# KiCad board DB1MB.kicad_pcb (continued)
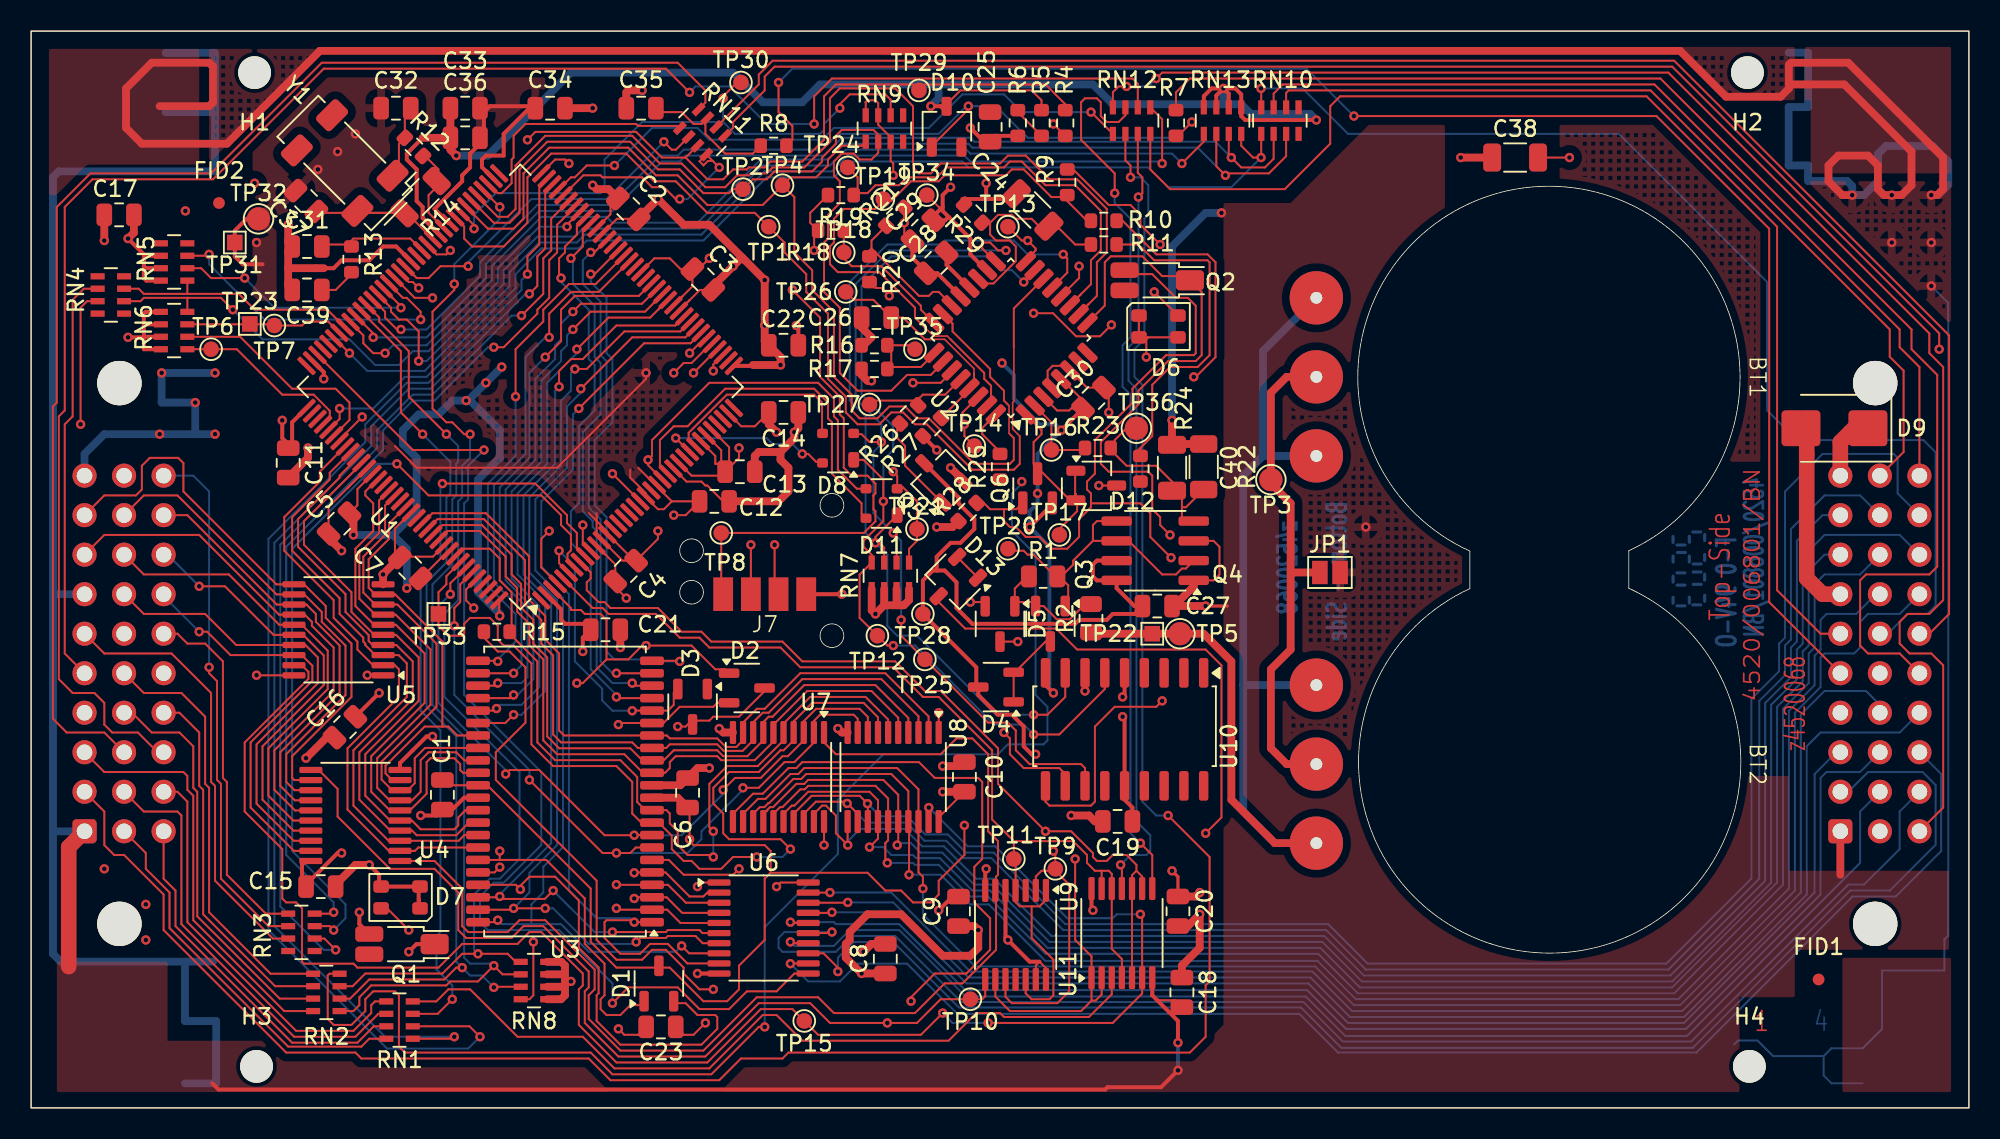
[diagram p0: board, top side]
## Nets
/12Vin: D10.1 R7.2 U1.96
GND: C1.2 C2.2 C3.2 C4.2 C5.2 C6.2 C7.2 C8.2 C9.2 C10.2 C11.2 C12.2 C13.2 C14.2 C15.2 C16.2 C17.2 C18.2 C19.2 C20.2 C21.2 C22.2 C23.2 C24.2 C27.2 C28.1 C29.1 C30.1 C32.2 C33.2 C34.2 C35.2 C36.2 C37.2 C40.2 D6.1 D6.2 D6.3 D7.1 D7.2 D7.3 D9.2 J8.a1 J8.a7 J9.a1 J9.a7 JP1.2 Q4.1 Q4.3 Q6.2 R21.2 R22.2 R29.2 TP31.1 TP32.1 U1.2 U1.12 U1.13 U1.20 U1.22 U1.26 U1.30 U1.31 U1.32 U1.35 U1.48 U1.54 U1.62 U1.74 U1.82 U1.91 U1.107 U1.120 U1.128 U1.134 U2.3 U2.5 U2.21 U3.12 U3.34 U4.10 U5.10 U6.10 U8.1 U8.10 U9.7 U10.9 U11.7
VCC: C1.1 C6.1 D1.3 U3.11 U3.33
VDD: C2.1 C3.1 C4.1 C5.1 C7.1 C8.1 C9.1 C10.1 C11.1 C12.1 C13.1 C14.1 C15.1 C16.1 C17.1 C18.1 C19.1 C20.1 C21.1 C22.1 C23.1 C29.2 C30.2 C31.1 C33.1 C34.1 C36.1 C38.1 C39.1 D9.1 D10.3 J8.a10 J9.a10 R4.2 R5.1 RN5.2 RN5.3 RN5.4 RN6.1 RN6.2 RN6.3 RN6.4 RN8.5 RN8.6 RN8.7 RN8.8 RN13.5 RN13.6 RN13.7 RN13.8 TP34.1 U1.11 U1.19 U1.25 U1.37 U1.47 U1.61 U1.72 U1.84 U1.86 U1.89 U1.109 U1.121 U1.135 U1.144 U2.4 U2.6 U2.18 U4.20 U5.20 U6.20 U7.20 U8.20 U9.5 U9.13 U9.14 U10.14 U11.14
+BATT: BT1.1 BT2.1 R2.1 TP5.1 TP22.1
-BATT: BT1.2 BT2.2 JP1.1 TP3.1
/c12V: J9.c5 R7.1
/cA0: J9.b4 U6.19
/cA1: J9.c4 U6.18
/cA2: J9.a3 U6.17
/cA3: J9.b3 U6.16
/cA5: J9.c3 U6.12
/cA6: J9.a2 U6.13
/cA7: J9.b2 U6.14
/cA8: J9.c2 U6.15
/cA20: J8.c10 RN3.2
/cA22: J8.b2 RN1.2
/cA23: J8.c2 RN1.1
/cCLKOUT: J9.a5 R8.2
/cPE1: J9.b6 RN10.8
/cPF1: J8.a5 RN4.2
/cPF2: J9.b10 RN10.6
/cPF3: J9.c10 RN10.7
/cPF5: J8.a3 RN2.4
/cPQS0: J8.b6 RN4.3
/cPQS1: J8.c6 RN3.1
/cPQS2: J8.a6 RN3.3
/cPQS3: J9.b1 RN11.5
/cPQS4: J9.c1 RN12.8
/cPQS5: J8.b1 RN1.4
/cPQS6: J8.c1 RN1.3
/cRESET: J9.c6 RN11.6
/cRW: J9.a6 RN12.4
/cRXD: J8.c4 RN2.2
/cTXD: J8.b3 RN11.8
/DBIO0: J9.a9 U7.19 U8.11
/DBIO1: J9.b9 U7.18 U8.12
/DBIO2: J9.c9 U7.17 U8.13
/DBIO3: J9.a8 U7.16 U8.14
/DBIO4: J9.b8 U7.15 U8.15
/DBIO5: J9.c8 U7.14 U8.16
/DBIO6: J9.b7 U7.13 U8.17
/DBIO7: J9.c7 U7.12 U8.18
/DBIO8: J8.a9 U4.12 U5.11
/DBIO9: J8.b9 U4.13 U5.12
/DBIO10: J8.c9 U4.14 U5.13
/DBIO11: J8.a8 U4.15 U5.14
/DBIO12: J8.b8 U4.16 U5.15
/DBIO13: J8.c8 U4.17 U5.16
/DBIO14: J8.b7 U4.18 U5.17
/DBIO15: J8.c7 U4.19 U5.18
A0: U1.115 U3.5 U6.2
A1: U1.39 U3.4 U6.3
A2: U1.40 U3.3 U6.4
A3: U1.41 U3.2 U6.5
A4: U1.42
A5: U1.43 U3.1 U6.9
A6: U1.44 U3.44 U6.8
A7: U1.45 U3.43 U6.7
A8: U1.46 U3.42 U6.6
A9: U1.49 U3.28
A10: U1.50 U3.27
A11: U1.51 U3.26
A12: U1.52 U3.25
A13: U1.56 U3.24
A14: U1.57 U3.23
A15: U1.58 U3.22
A16: U1.60 U3.21
A17: U1.63 U3.20
A18: U1.64 U3.19
A19: D3.2 U1.6 U3.18
A20: RN3.7 U1.7
A21: U1.8 U11.5 U11.9 U11.10
A22: RN1.7 U1.9
A23: U1.10 U9.9 U11.1 U11.2
BERR: RN5.6 U1.94
CE: TP15.1 U5.19 U8.19 U11.6
CLKOUT: RN11.2 U1.90
CS0: U1.141
D0: U1.139 U3.7 U7.2 U8.9
D1: U1.138 U3.8 U7.3 U8.8
D2: TP33.1 U1.137 U3.9 U7.4 U8.7
D3: R15.1 U1.136 U3.10 U7.5 U8.6
D4: U1.133 U3.13 U7.6 U8.5
D5: U1.132 U3.14 U7.7 U8.4
D6: U1.131 U3.15 U7.8 U8.3
D7: U1.130 U3.16 U7.9 U8.2
D8: U1.127 U3.29 U4.9 U5.9
D9: U1.125 U3.30 U4.8 U5.8
D10: U1.124 U3.31 U4.7 U5.7
D11: U1.122 U3.32 U4.6 U5.6
D12: U1.119 U3.35 U4.5 U5.5
D13: U1.118 U3.36 U4.4 U5.4
D14: U1.117 U3.37 U4.3 U5.3
D15: U1.116 U3.38 U4.2 U5.2
DSCLK: RN9.1 TP4.1 U1.79 U2.23
DSI: RN9.2 TP2.1 U1.78 U2.26
DSO: U1.77 U2.10
FC0: D2.1 U1.3 U3.40
FC1: D1.1 U1.4 U3.39
FC2: TP11.1 U1.5 U9.1 U9.4 U9.12 U11.4 U11.12 U11.13
FREEZE: TP1.1 U1.81 U2.14
HALT: RN5.7 U1.93
LED_L: D7.4 R10.2
LED_R: D6.4 R9.2
MISO: TP13.1 U2.16
MODCLK: RN6.7 TP7.1 TP23.1 U1.102
MOSI: D8.1 RN7.8 TP12.1 U2.15 U10.6
OE: U4.1 U7.1 U9.6
PC1: R18.1 TP18.1 U2.24
PC2: R16.1 R17.1 TP35.1 U2.25
PC4: U2.27
PC5: R26.2 TP27.1 U2.28
PD0: D12.3 R24.2 TP14.1 U2.30
PD1: R9.1 R10.1 TP19.1 U2.31
PD2: R25.2 U2.32
PD3: D12.1 D12.2 Q6.3 TP17.1 U2.1
PD4: R23.1 TP16.1 U2.2
PD5: Q2.1 U2.9
PD7: R19.1 TP24.1 U2.11
PE0: RN6.6 U1.114
PE1: RN10.1 RN13.4 U1.113
PE2: RN6.5 TP6.1 U1.112
PE3: U1.111
PE4: U1.106 U6.11
PE5: U1.110
PE6: U1.105
PE7: U1.104
PF1: RN4.7 RN5.5 U1.101
PF2: RN10.3 RN13.2 U1.100
PF3: RN10.2 RN13.3 U1.99
PF4: RN2.6 RN8.3 U1.98
PF5: RN2.5 RN8.2 U1.97
PF7: RN13.1 U1.95
PGP0: U1.33
PGP4: D8.3 U1.29
PGP5: D8.4 U1.28
PGP6: D11.4 U1.24
PGP7: D11.3 U1.23
PQS0: RN4.6 RN6.8 U1.65
PQS1: RN3.8 U1.66
PQS2: RN3.6 U1.67
PQS3: RN11.4 U1.68
PQS4: RN12.1 U1.69
PQS5: RN1.5 U1.70
PQS6: RN1.6 U1.71
RESET: R4.1 RN11.3 TP29.1 U1.92
RST: C26.1 R27.2 TP26.1 U2.29
RW: RN12.5 U1.103
RXD: RN2.7 RN8.1 U1.76
SCK: D8.2 RN7.6 TP25.1 U2.17 U10.12
TSC: RN9.6 TP30.1 U1.80
TXD: RN11.1 U1.75
XFC: C31.2 R13.1 U1.87
Net-(C25-Pad1): C25.1 R6.2
Net-(C26-Pad2): C26.2 R16.2
Net-(C32-Pad1): C32.1 R12.1 Y1.1
Net-(C39-Pad2): C39.2 R13.2
Net-(D2-K): D2.3 D3.3
Net-(D4-K): C27.1 D4.3 Q4.7 Q4.8 Q5.3 TP28.1
Net-(D11A-K): D11.1 RN7.7 U2.13 U10.8
Net-(D11B-K): D11.2 RN7.5 TP21.1
Net-(D13-K-Pad1): D13.1 D13.2
Net-(J7-Pin_1): J7.1 TP8.1
Net-(J8A-Pin_a2): J8.a2 RN12.2
Net-(J8B-Pin_b4): J8.b4 RN2.3
Net-(J8B-Pin_b5): J8.b5 RN2.1
Net-(J8C-Pin_c3): J8.c3 RN12.6
Net-(Q2-E): Q2.3 Q6.1 R28.2
Net-(Q3-D): D4.1 D4.2 Q3.3
Net-(Q3-G): Q3.1 Q4.2 Q4.5 Q4.6 R1.2 TP20.1
Net-(Q3-S): D5.1 Q3.2 R1.1 R2.2
Net-(Q4B-G): C40.1 Q4.4 R22.1 R23.2 TP36.1
Net-(Q5-B): Q5.1 R26.1
Net-(R5-Pad2): R5.2 R6.1
Net-(R11-Pad2): R11.2 R24.1
Net-(R18-Pad2): R18.2 R19.2
Net-(RN1-R1.2): RN1.8 U11.3
Net-(RN7-R1.1): RN7.1 RN7.2 RN7.3 RN7.4
Net-(RN9-R1.2): RN9.3 RN9.7 RN9.8
Net-(RN11-R2.2): C35.1 R8.1 RN11.7
Net-(RN12-R2.2): RN12.7 U11.8
Net-(RN12-R3.1): RN12.3 U11.11
Net-(TP9-Pad1): TP9.1 U9.2 U9.10
Net-(U1-EXTAL): C37.1 R14.2 U1.85 Y1.4
Net-(U1-XTAL): R12.2 R14.1 U1.83
Net-(U2-ADC6): C24.1 R11.1 R29.1 U2.19
Net-(U2-ADC7): R20.1 R21.1 U2.22
Net-(U2-AREF): C28.2 U2.20
Net-(U3-~{OE}): D1.2 U3.41
Net-(U3-~{WE}): D2.2 U3.17
Net-(U4-Load): TP10.1 U4.11 U9.8

Pads without a net: C25 2; C38 2; D3 1; D5 2 3; D10 2; D13 3; J7 2 3 4; J8 a4 b10 c5; J9 a4 b5; Q1 1 2 3; Q2 2; Q5 2; R15 2; R17 2; R20 2; R25 1; R27 1; R28 1; RN2 8; RN3 4 5; RN4 1 4 5 8; RN5 1 8; RN8 4; RN9 4 5; RN10 4 5; U1 1 14 15 16 17 18 21 27 34 36 38 53 55 59 73 88 108 123 126 129 140 142 143; U2 7 8 12; U3 6; U5 1; U6 1; U7 10 11; U9 3 11; U10 1 2 3 4 5 7 10 11 13 15 16 17 18; Y1 2 3

## Via types
v1: diameter 0.6, hole 0.3, Top to Bottom, 334 vias

## Routing (per net, layer and track width the routed paths; a pad name or vN(x,y) marks a point on that pad's centre or on a via; arc(x,y) is an arc through that point)
/12Vin: length 66
  Top w0.127: 73.66,62.48 v1(74.55,63.37) ; 57.85,62.13 58.15,62.13 60.2,64.18 v1(60.2,64.39) ; v1(23.75,50.04) 23.5,50.04 22.73,50.8 22.73,51.18 22.61,51.31 21.98,51.94
  Bottom w0.127: v1(23.75,50.04) 25.4,50.04 28.83,53.47 28.83,54.36 32.51,58.04 37.21,58.04 40.39,61.21 41.53,61.21 41.91,61.6 50.8,61.6 51.82,62.61 58.29,62.61 60.07,64.39 v1(60.2,64.39) 61.98,64.39 64.01,62.36 73.53,62.36 v1(74.55,63.37)
GND: length 707.3
  Top w0.127: Q4.3 75.95,36.45 76.33,36.07 76.33,34.29 75.95,33.91 Q4.1 ; 23.37,42.55 24.77,41.15 33.78,41.15 39.5,46.86 v1(39.5,47.24) ; 41.15,38.99 C12.2 42.04,38.1 v1(41.27,38.1) ; 41.15,38.99 40.64,38.48 40.26,38.48 39.48,39.26 ; 41.15,38.99 40.19,39.95 ; 41.86,52.2 U1.48 41.86,52.2 ; 41.86,52.2 42.47,52.81 C3.2 41.71,53.92 41.02,54.61 40.03,54.61 39.13,53.71 ; 114.05,41.98 113.67,42.36 D9.2 ; U1.134 25.81,35.43 23.73,35.43 ; 23.69,21.94 U4.10 ; 36.32,37.72 35.81,38.23 ; 36.32,37.72 36.32,36.84 ; 36.32,37.72 36.32,38.23 ; 36.32,37.72 37.01,37.03 37.01,36.95 ; 38.48,41.02 38.48,40.51 38.61,40.39 39.48,39.51 39.48,39.3 ; v1(43.31,5.46) 42.55,4.7 41.91,4.7 C23.2 ; 58.92,52.93 U2.21 ; v1(45.47,42.42) 45.47,41.78 C13.2 44.07,41.4 43.94,41.4 43.94,41.91 43.02,42.83 ; D6.3 71.76,49.53 ; 71.76,49.53 71.63,49.4 v1(71.63,48.26) ; 71.76,49.53 D6.2 D6.1 ; C14.2 46.49,43.82 45.61,43.82 45.2,44.23 ; 37.68,58.46 37.21,57.99 37.21,57.44 36.76,56.99 ; 23.89,37.76 U1.128 23.89,37.76 23.89,37.76 ; 23.89,37.76 23.37,37.24 23.37,35.69 ; 42.01,41.05 42.42,40.64 44.32,40.64 ; 56.08,57.86 56.08,57.38 ; 56.08,57.38 56.08,57.38 R21.2 ; 56.08,57.38 v1(56.08,56.9) 56.08,56.24 C29.1 ; C30.1 66.8,44.96 66.67,44.83 65.89,44.83 65.49,45.24 ; 42.87,53.92 43.31,54.36 v1(43.56,54.61) ; 60.28,58.42 R29.2 ; 43.85,42.75 44.32,42.27 44.32,41.15 ; v1(40.26,37.08) 40.26,36.58 38.86,35.18 37.98,35.18 U1.12 ; 20.34,39.87 19.1,38.63 19.1,36.77 ; 20.34,39.87 U1.120 20.34,39.87 ; 67.56,45.47 66.25,46.78 ; 38.73,35.18 37.05,36.86 ; 44.83,41.15 44.83,42.47 44.28,43.03 ; U8.1 v1(58.29,25.4) ; 43.73,43.58 44.28,43.03 ; 44.28,43.03 U1.32 ; 38.99,41.15 40.1,40.04 ; D7.1 24.98,13.31 24.89,13.4 ; v1(24.89,52.71) 24.51,53.09 24.26,53.09 23.7,53.65 ; C18.2 73.47,6.92 72.33,6.92
  Top w0.2: v1(75.44,32.26) 76.83,32.26 ; v1(73.28,15.24) 73.66,14.86 C20.2
  Top w0.254: C22.2 49.28,50.17 v1(49.15,50.29) ; 57.46,53.79 56.61,54.65 C29.1 ; TP32.1 13.84,57.15 13.08,56.39 TP31.1 13.08,54.74 13.59,54.23 14.86,54.23 ; v1(73.66,2.41) 72.58,1.33 69.14,1.33 68.98,1.18 12.04,1.18 11.64,1.58 ; 65.47,38.48 65.28,38.48 v1(64.14,37.34) ; v1(25.78,23.88) 25.4,23.88 24.51,22.99 23.69,22.17 U4.10 ; 61.34,58.42 v1(61.34,59.44) ; 61.34,58.42 59.82,58.42 ; 61.34,58.42 62.94,58.42 ; 24.89,13.97 24.89,12.83 ; U1.107 18.8,47.29 v1(18.8,46.86) ; v1(35.43,29.34) 35.43,30.23 C21.2 35.56,31.12 34.29,31.12 34.04,31.37 34.04,32.06 33.12,32.97 ; U3.34 27.81,19.94 27.05,19.18 C1.2 26.04,18.8 v1(25.02,18.8) ; 20.83,25.15 v1(22.35,26.67) ; U11.7 72.01,7.24 73.66,5.59 v1(73.66,4.19) ; 59.64,52.22 58.21,53.65 57.83,53.65 ; U9.7 61.28,15.31 v1(61.34,15.37) ; v1(66.17,43.56) C30.1 ; 29.71,59.72 28.96,60.47 28.96,60.96 29.21,61.21 30.35,61.21 30.35,62.61 32.13,64.39 29.46,64.39 29.08,64.01 29.08,62.23 28.19,61.34 28.19,60.45 27.69,59.94 27.69,59.56 25.91,57.79 26.8,56.89 26.88,56.89 ; v1(21.72,15.62) 22.35,14.99 22.35,14.48 ; 59.18,13.58 v1(58.29,12.7) ; 22.61,14.22 24.64,14.22 ; 65.15,27.18 v1(65.66,26.67) ; U6.10 v1(42.8,8.64)
  Top w0.5: v1(75.06,13.84) 74.8,13.59 C20.2 ; v1(51.82,24.38) 52.07,24.13 U8.10 ; R22.2 73.33,42.67 ; v1(53.47,10.03) 53.98,10.54 C8.2 ; C35.2 38.23,65.28 38.35,65.41 v1(39.24,65.41) ; v1(21.72,15.62) 20.83,15.62 19.56,14.35 ; 37.68,58.46 37.08,59.06 36.32,59.06 v1(36.07,59.31) ; C19.2 68.33,18.42 67.95,18.8 v1(66.8,18.8) ; 73.28,42.62 v1(73.28,44.2) ; 112.9,65.91 112.9,67.06 113.03,67.18 116.71,67.18 122.81,61.09 122.81,59.06 122.43,58.67 v1(122.05,58.67) ; 112.9,65.91 113.03,65.79 116.46,65.79 120.78,61.47 120.78,59.31 120.14,58.67 v1(119.51,58.67) 119,58.67 118.62,59.06 118.62,60.58 117.98,61.21 116.08,61.21 115.44,60.58 115.44,59.56 116.33,58.67 v1(116.97,58.67) ; 112.9,65.91 112.9,65.53 112.37,65 108.87,65 105.92,67.95 18.54,67.95 12.57,61.98 7.11,61.98 6.1,62.99 6.1,65.53 7.75,67.18 11.43,67.18 11.68,66.93 11.68,64.64 11.43,64.39 8.26,64.39 ; v1(17.78,42.42) 17.78,41.78 C11.2 ; v1(58.55,21.97) 59.69,21.97 ; v1(75.44,32.26) 73.41,32.26 74.67,33.53 Q4.1 ; J9.a1 116.2,14.99 ; C14.2 47.38,43.94 v1(47.88,43.43) ; U3.12 41.7,20.74 C6.2 42.8,21.84 v1(43.56,21.84) ; 19.1,36.65 v1(19.94,35.81) ; C17.2 v1(4.7,55.75) ; C7.2 22.61,34.31 v1(22.61,34.29) U5.10
  Top w1: J9.a7 115.06,33.02 114.05,34.04 114.05,44.32 ; J8.a1 2.41,16.76 2.41,9.08
  Bottom w0.127: 115.14,3.33 111.89,3.33 110.89,4.33 109.64,4.33 109.39,4.08 ; 115.14,3.33 115.14,2.08 115.64,1.58 117.64,1.58 ; 115.14,3.33 115.64,3.83 117.64,3.83 118.89,5.08 118.89,8.83 122.89,8.83 122.89,10.83 123.14,11.08 123.14,51.74 v1(122.05,52.83)
  Bottom w0.254: v1(65.66,26.67) 65.41,26.92 65.41,36.07 v1(64.14,37.34) 64.14,38.35 64.64,38.86 v1(64.64,39.5) 64.64,42.04 v1(66.17,43.56) 65.79,43.94 64.77,43.94 63.12,45.59 63.12,47.12 v1(62.36,47.88) ; v1(73.66,4.19) v1(73.66,2.41)
  Bottom w0.5: 8.64,67.82 11.81,67.82 11.81,64.01 ; v1(122.05,58.67) 122.48,58.67 123.14,59.33 123.14,60.83 122.14,61.83 119.14,61.83 118.64,61.33 118.64,59.58 117.73,58.67 v1(116.97,58.67) 116.97,59.25 116.64,59.58 114.14,59.58 114.14,60.58 112.89,60.58 112.89,64.33 114.14,64.33 114.14,67.83 112.89,67.83 ; 9.89,1.58 11.89,1.58 11.89,5.58 9.89,5.58 9.89,9.4 ; 1.4,17.78 1.4,33.02 ; 1.4,17.78 J8.a1 ; 1.4,17.78 1.4,9.91 1.91,9.4 9.89,9.4 ; 1.4,33.02 J8.a7 ; 1.4,33.02 1.4,59.82 1.78,60.2 11.81,60.2 11.81,64.01 ; 9.89,9.4 11.68,9.4 ; 11.81,64.01 8.64,64.01 ; v1(73.28,44.2) 73.28,55.37 75.44,57.53 v1(76.45,57.53)
  vias: v1(14.48,55.63) v1(18.42,60.33) v1(19.69,61.47) v1(20.83,62.61) v1(85.73,37.34) v1(119.51,55.63) v1(122.05,55.63)
VCC: length 63
  Top w0.127: 29.3,20.74 35.94,14.1 35.94,10.67 37.59,9.02 40.07,9.02 ; 47.5,15.11 47.12,14.73 47.12,10.8 45.47,9.14 45.47,7.62 44.7,6.86 43.18,6.86 41.02,9.02 40.07,9.02 ; 47.5,15.11 53.72,15.11 54.86,13.97 55.88,13.97 56.64,13.21 57.79,13.21 58.29,13.72 58.29,14.61 59.94,16.26 v1(59.94,18.16) ; 47.5,15.11 47.5,16.51 47.12,16.89 42.55,16.89 42.29,17.15 v1(42.29,17.27) 42.29,19.18 ; 40.07,9.02 40.2,9.02 ; U3.33 26.76,20.74
  Top w0.5: U3.11 41.53,19.94 C6.1
VDD: length 352.9
  Top w0.127: 37.52,34.39 37.52,34.94 36.91,35.54 ; 25.66,56.7 U1.84 ; 16.88,27.81 14.49,27.81 v1(14.48,27.81) ; U7.20 v1(50.93,16.89) ; 25.47,55.43 26.04,54.86 26.67,54.86 v1(26.92,55.12) ; U1.25 42.1,40.26 43.05,40.26 43.31,40.01 43.43,40.01 44.45,38.99 ; 58.8,64.52 59.69,65.41 64.26,65.41 64.9,64.77 R5.1 ; 69.22,45.99 v1(69.22,44.7) ; 58.29,18.67 59.94,20.32 ; 21.44,40.26 U1.121 21.44,40.26 ; 21.44,40.26 20.95,39.77 20.95,38.74 20.45,38.23 ; R4.2 v1(65.66,63.25) ; 24.77,34.04 v1(24.13,33.4) ; 30.06,32.14 30.06,31.66 v1(30.1,31.62) ; 30.06,32.14 U1.144 30.06,32.14 ; v1(34.54,60.71) 34.29,60.96 33.66,60.96 32.77,60.07 ; 39.12,38.98 v1(37.34,40.77) ; 36.91,35.54 36.3,36.15 ; 36.91,35.54 U1.11 ; 68.36,46.3 67.82,46.3 66.42,47.7 65.61,47.7 65.29,47.38 65.29,46.57 ; v1(64.39,51.08) 65.64,51.08 67.12,49.6 68.65,49.6 v1(69.39,50.33) ; 26.78,35.8 C7.1 ; v1(37.72,5.08) 38.1,4.7 38.99,4.7 39.5,5.21 ; 42.28,51.91 U1.47 42.28,51.91 ; 42.28,51.91 42.95,52.58 C3.1 ; U9.13 64.53,9.16 64.77,9.4 65.18,8.99 U9.14 ; 38.99,57.15 37.62,57.15 U1.61 ; 37.47,33.53 v1(38.23,32.77) ; v1(47.88,14.22) 48.14,14.49 U6.20 ; 58.42,64.39 58.79,64.39 ; TP34.1 58.42,57.79
  Top w0.254: v1(76.58,65.53) 75.82,65.53 75.32,65.04 RN13.8 ; v1(76.58,65.53) 77.34,65.53 77.72,65.15 RN13.5 77.72,63.75 77.98,63.5 v1(82.55,63.5) ; v1(76.58,65.53) 76.92,65.19 RN13.6 ; v1(76.58,65.53) 76.12,65.08 RN13.7 ; 7.24,54.1 7.24,53.34 7.4,53.18 RN5.4 ; 7.24,54.1 7.24,54.86 ; 7.24,54.1 7.37,53.98 RN5.3 ; U9.5 62.58,10.95 v1(62.74,10.8) 64.14,9.4 64.77,9.4 ; C29.2 58.71,57.06 58.93,57.28 ; 16.76,42.67 16.76,44.07 U1.109 ; 7.24,49.53 v1(6.22,49.53) ; 7.24,49.53 7.24,50.29 ; 7.24,49.53 7.24,48.77 RN6.4 ; 7.24,49.53 7.28,49.57 RN6.3 ; 7.24,50.29 7.32,50.37 RN6.2 ; 7.24,50.29 7.24,51.05 7.35,51.17 RN6.1 ; 58.93,57.28 58.55,57.66 58.55,57.91 ; 58.93,57.28 60.33,55.88 60.33,54.86 60.58,54.61 61.27,53.92 ; v1(57.79,64.39) 58.42,64.39 58.8,64.01 ; U11.14 68.11,12.79 v1(68.2,12.7) ; 7.24,54.86 v1(6.22,55.88) ; 7.24,54.86 7.33,54.78 RN5.2 ; 46.36,47.75 46.3,47.7 U1.37 ; 25.15,62.36 24.13,61.34 24.13,60.96 24.77,60.33 24.77,58.29 25.15,57.91 25.15,57.21 U1.84 ; C19.1 70.73,19.31 70.23,19.81 70.23,25.02 v1(70.1,25.15) ; v1(59.05,59.18) 58.55,58.67 58.55,57.91 ; v1(16.13,44.2) 16.13,43.05 16.51,42.67 ; 17.65,15.87 17.4,15.62 17.4,14.48 ; 58.55,57.91 58.42,57.79 57.95,57.31 ; U1.89 23.45,55.37 22.61,55.37 21.72,54.48 19.94,54.48 19.43,53.98 18.29,53.98 ; v1(19.94,16.38) 19.69,16.38 17.66,14.36
  Top w0.5: v1(6.22,55.88) 6.6,56.26 C17.1 ; 48.13,42.16 48.13,41.66 48.64,41.15 48.64,39.62 48.01,38.99 C12.1 ; 48.13,42.16 49.02,43.05 v1(49.02,43.43) 49.28,43.69 C14.1 ; 48.13,42.16 46.74,42.16 46.48,41.91 C13.1 ; 34.29,8.64 34.29,9.14 34.05,9.39 RN8.8 ; 34.29,8.64 34.24,8.59 33.15,8.59 ; 34.29,8.64 34.29,8.13 ; C38.1 v1(91.82,61.09) ; 45.66,54.67 v1(45.08,54.1) 43.82,52.83 ; 45.66,54.67 43.56,56.77 41.91,56.77 v1(40.26,58.42) 39.75,57.91 39.03,57.19 ; 45.66,54.67 45.85,54.48 v1(47.12,53.21) v1(47.12,50.29) 47.12,49.28 C22.1 48.13,48.27 v1(48.13,47.75) 46.36,47.75 ; C34.1 v1(36.07,64.26) ; 16.51,53.98 16.51,52.83 16.76,52.58 ; 16.51,53.98 18.8,53.98 ; 16.51,53.98 16.51,55.11 C31.1 16.51,55.63 v1(16.51,56.77) ; C16.1 18.98,23.8 v1(17.65,22.48) ; 34.29,8.13 v1(34.67,8.13) ; 34.29,8.13 34.29,7.87 ; C8.1 v1(53.34,8.64) 53.33,8.64 52.32,9.65 52.32,10.54 52.58,10.8 52.58,11.3 53.72,12.45 55.88,12.45 58.55,9.78 60.33,9.78 60.83,10.29 v1(60.83,11.43) 60.58,11.68 C9.1 ; C21.1 37.84,29.6 v1(37.85,29.59) ; C36.1 26.93,61.59 v1(27.31,61.21) ; C36.1 C33.1 ; C36.1 25.15,62.36 ; C20.1 74.3,11.69 v1(75.06,12.45) 75.06,10.29 73.91,9.14 C18.1 ; 34.29,7.87 34.2,7.79 RN8.6 ; 34.29,7.87 34.29,7.24 34.04,6.99 RN8.5 ; 20.7,37.97 v1(20.7,36.83) ; 59.94,20.32 v1(58.55,20.32)
  Top w1: J9.a10 116.2,42.8 117.48,44.07
  Bottom w0.5: 76.58,64.52 69.47,64.52 68.2,65.79 58.29,65.79 ; 76.58,64.52 77.72,64.52 78.36,63.88 82.17,63.88 v1(82.55,63.5) ; 76.58,64.52 v1(76.58,65.53) ; v1(11.81,47.24) v1(8.38,47.24) 8.38,45.34 v1(10.54,45.34) 10.54,43.31 ; v1(24.13,33.4) 24.13,35.94 23.24,36.83 ; 10.54,43.31 v1(8.26,43.31) 4.7,43.31 3.43,42.04 J8.a10 ; 10.54,43.31 v1(11.81,43.31) ; v1(20.7,36.83) 23.24,36.83 ; 23.24,36.83 24.77,38.35 24.77,41.78 23.88,42.67 23.88,43.56 24.89,44.58 26.16,44.58 27.05,45.47 v1(27.94,45.47) 28.07,45.47 ; v1(30.23,47.63) v1(29.21,46.61) 28.07,45.47 ; 28.07,45.47 28.19,45.47 30.1,43.56 30.1,41.78 28.7,40.39 28.7,33.15 30.1,31.75 v1(30.1,31.62) ; v1(57.79,64.39) 58.29,64.9 58.29,65.79 ; 58.29,65.79 50.67,65.79 49.53,64.64 46.99,64.64 45.08,66.55 34.67,66.55 29.34,61.21 v1(27.31,61.21)
  vias: v1(4.7,15.37) v1(7.37,13.08) v1(7.37,10.8) v1(9.91,57.66) v1(14.35,59.44)
+BATT: length 73.9
  Top w0.5: 68.07,30.48 TP5.1 75.31,30.48 77.09,28.7 77.09,19.81 79.88,17.02 BT2.1
  Bottom w0.5: 77.85,27.18 77.85,19.05 79.88,17.02 BT2.1 ; 77.85,27.18 BT2.1 ; 77.85,27.18 77.85,40.64 79.12,41.91 ; 79.12,41.91 79.12,48.64 BT1.1 ; 79.12,41.91 BT1.1
-BATT: length 32.2
  Top w0.5: 80.9,34.42 80.9,29.46 79.63,28.19 79.63,23.11 80.64,22.1 BT2.2 ; 80.9,34.42 80.9,38.86 79.63,40.13 ; 80.9,34.42 JP1.1 ; BT1.2 80.64,46.99 79.63,45.97 TP3.1
/c12V: length 85.4
  Top w0.127: R7.1 73.53,65.28 74.42,66.17 104.65,66.17 120.78,50.04 120.78,48.77 122.43,47.12 122.43,34.8 121.92,34.29 117.86,34.29 117.48,33.91 117.48,29.72 117.98,29.21 120.02,29.21 J9.c5
/cA0: length 87.6
  Top w0.127: v1(51.31,13.84) 51.3,13.84 U6.19
  Bottom w0.127: 118.75,25.91 117.86,26.8 115.19,26.8 113.67,25.27 113.67,13.84 106.05,6.22 84.84,6.22 82.3,8.76 60.33,8.76 55.25,13.84 v1(51.31,13.84)
/cA1: length 88.1
  Top w0.127: v1(52.45,13.21) 52.43,13.19 U6.18
  Bottom w0.127: J9.c4 120.02,24.13 114.94,24.13 114.05,23.24 114.05,13.72 106.17,5.84 84.71,5.84 82.17,8.38 60.2,8.38 55.37,13.21 v1(52.45,13.21)
/cA2: length 80.7
  Top w0.127: v1(51.44,12.57) 51.4,12.54 U6.17
  Bottom w0.127: 115.95,22.86 114.55,21.46 114.55,13.84 106.17,5.46 84.58,5.46 82.04,8 60.07,8 55.5,12.57 v1(51.44,12.57)
/cA3: length 85.7
  Top w0.127: U6.16 48.82,11.89 v1(48.77,11.94)
  Bottom w0.127: J9.b3 117.48,21.59 115.32,21.59 114.94,21.21 114.94,13.72 106.3,5.08 84.45,5.08 81.97,7.57 60,7.57 55.75,11.81 51.69,11.81 51.56,11.94 v1(48.77,11.94)
/cA5: length 90.7
  Top w0.127: v1(48.77,9.27) 48.78,9.29 U6.12
  Bottom w0.127: v1(48.77,9.27) 49.91,8.13 51.94,8.13 53.09,9.27 56.26,9.27 59.49,6.05 81.46,6.05 83.95,3.56 106.96,3.56 116.99,13.59 119.76,13.59 122.68,16.51 122.68,21.46 J9.c3
/cA6: length 92.9
  Top w0.127: v1(51.82,8.76) 51.82,9.02 50.9,9.94 U6.13
  Bottom w0.127: v1(51.82,8.76) 51.82,9.65 52.83,10.67 55.37,10.67 59.59,6.45 81.56,6.45 84.15,3.86 106.73,3.86 116.84,13.97 119.38,13.97 122.33,16.92 122.33,20.75 121.49,21.59 117.98,21.59 116.71,20.32
/cA7: length 82.9
  Top w0.127: U6.14 48.85,10.59 v1(48.77,10.67)
  Bottom w0.127: v1(48.77,10.67) 49.02,10.41 51.56,10.41 52.58,11.43 55.75,11.43 60.02,7.16 81.86,7.16 84.4,4.62 106.35,4.62 117.48,15.75 117.48,19.05 J9.b2
/cA8: length 90.5
  Top w0.127: v1(51.44,11.3) 51.37,11.24 U6.15
  Bottom w0.127: v1(51.44,11.3) 48.39,11.3 48.01,10.92 48.01,10.29 48.26,10.03 51.69,10.03 52.7,11.05 55.5,11.05 59.74,6.81 81.71,6.81 84.25,4.27 106.63,4.27 116.71,14.35 117.73,14.35 120.02,16.64 120.02,19.05 J9.c2
/cA20: length 34.1
  Top w0.127: RN3.2 15.24,11.68 12.19,14.73 12.19,20.83 11.94,21.08 11.94,27.43 11.43,27.94 v1(11.43,28.32)
  Bottom w0.127: J8.c10 10.41,40.64 11.43,39.62 v1(11.43,28.32)
/cA22: length 28.1
  Top w0.127: J8.b2 7.24,19.05 9.4,19.05 9.65,18.8 9.65,11.81 16.89,4.57 20.83,4.57 22.3,6.05 RN1.2
/cA23: length 26.3
  Top w0.127: J8.c2 9.4,20.32 10.03,19.69 10.03,11.94 17.02,4.95 20.7,4.95 21.84,6.1 21.84,6.6 22.09,6.85 RN1.1
/cCLKOUT: length 103.3
  Top w0.127: v1(48.01,65.91) 48.01,64.01 48.89,63.12 48.89,62.23 R8.2 ; J9.a5 111.63,32.51 111.63,56.52 104.39,63.75 v1(84.96,63.75)
  Bottom w0.127: v1(48.01,65.91) 48.89,66.8 81.92,66.8 v1(84.96,63.75)
/cPE1: length 72.8
  Top w0.127: v1(78.99,65.53) 79.01,65.52 RN10.8
  Bottom w0.127: v1(78.99,65.53) 81.66,65.53 84.58,62.61 101.98,62.61 111.51,53.09 111.51,44.83 113.41,42.93 121.54,42.93 122.33,42.14 122.33,32.28 121.79,31.75 120.52,31.75 119.25,30.48
/cPF1: length 26.6
  Top w0.127: RN4.2 3.38,52.65 2.67,51.94 2.67,44.45 2.16,43.94 2.16,29.21 J8.a5
/cPF2: length 56.5
  Top w0.127: RN10.6 80.61,65.24 80.77,65.41 104.01,65.41 119.38,50.04 119.38,48.28 120.27,47.39 120.27,42.16 J9.b10
/cPF3: length 57.8
  Top w0.127: RN10.7 79.81,65.2 80.39,65.79 104.27,65.79 120.02,50.04 120.02,48.9 121.29,47.63 J9.c10
/cPF5: length 26.8
  Top w0.127: RN2.4 16.26,6.22 10.41,12.07 10.41,20.07 10.03,20.45 10.03,21.34 9.78,21.59 4.7,21.59 J8.a3
/cPQS0: length 24.1
  Top w0.127: RN4.3 3.59,51.85 3.18,51.44 v1(3.18,43.94)
  In1.Cu w0.127: v1(3.18,43.94) 2.41,43.18 2.41,35.17 3.62,33.96 3.82,33.96 4.37,33.41 4.37,32.08 J8.b6
/cPQS1: length 23.3
  Top w0.127: J8.c6 9.4,30.48 10.03,29.85 11.18,29.85 12.32,28.7 12.32,21.21 12.57,20.96 12.57,14.99 15.08,12.48 RN3.1
/cPQS2: length 28.1
  Top w0.127: RN3.3 15.53,10.88 11.81,14.61 11.81,20.7 11.56,20.96 11.56,26.67 9.02,29.21 4.7,29.21 J8.a6
/cPQS3: length 121.7
  Top w0.127: v1(122.55,48.77) 122.55,49.78 105.41,66.93 47.75,66.93 47.12,66.29 47.12,65.41 45.08,63.37 45.08,63 44.83,62.74
  In1.Cu w0.127: v1(122.55,48.77) 122.55,20.26 121.09,18.8 119.76,18.8 J9.b1
/cPQS4: length 97.8
  Top w0.127: RN12.8 69.48,65.29 69.85,65.66 v1(70.36,65.66) ; J9.c1 122.81,19.3 122.81,28.45 122.05,29.21 120.65,29.21 120.02,29.85 120.02,31.24 120.52,31.75 121.92,31.75 122.81,32.64 122.81,47.63 121.92,48.51 121.92,49.78 105.16,66.55 72.64,66.55 v1(72.26,66.17)
  Bottom w0.127: v1(70.36,65.66) 71.76,65.66 v1(72.26,66.17)
/cPQS5: length 24.7
  Top w0.127: J8.b1 7.37,16.38 7.37,15.37 8.89,13.84 8.89,11.56 16.51,3.94 21.21,3.94 21.72,4.45 RN1.4
/cPQS6: length 23.5
  Top w0.127: J8.c1 8.51,14.73 9.27,13.97 9.27,11.68 16.76,4.19 20.95,4.19 22.01,5.25 RN1.3
/cRESET: length 108.3
  Top w0.127: RN11.6 46.74,65.79 46.74,66.42 47.63,67.31 105.54,67.31 123.19,49.66 123.19,31.75 121.92,30.48
/cRW: length 79
  Top w0.127: RN12.4 71.88,60.33 73.15,59.06 80.52,59.06 83.44,61.98 83.44,64.39 84.07,65.02 103.76,65.02 112.14,56.64 112.14,33.27 114.94,30.48 J9.a6
/cRXD: length 23.6
  Top w0.127: J8.c4 9.53,25.4 10.8,24.13 10.8,20.7 11.05,20.45 11.05,12.45 15.67,7.82 RN2.2
/cTXD: length 86.1
  Top w0.127: RN11.8 43.31,64.62 43.31,65.41 41.53,67.18 18.67,67.18 11.56,60.07 3.81,60.07 1.65,57.91 1.65,45.34 1.4,45.09 1.4,25.02 2.29,24.13 4.7,24.13 J8.b3
/DBIO0: length 97.7
  Top w0.127: U8.11 52.44,16.9 ; 52.44,16.9 v1(52.45,16.89) ; 52.44,16.9 51.69,17.65 51.69,18.79 51.05,19.43 50.8,19.43 50.28,18.91
  Bottom w0.127: v1(52.45,16.89) 52.45,17.15 53.24,17.93 56.11,17.93 57.23,16.82 58.62,16.82 60.71,14.73 61.85,14.73 65.53,11.05 83.06,11.05 85.6,8.51 105.28,8.51 111.38,14.61 111.38,26.04 113.03,27.69 113.03,29.59 113.41,29.97 113.41,36.45 115.06,38.1 J9.a9
/DBIO1: length 100
  Top w0.127: 49.63,18.91 50.41,19.69 52.3,19.69 v1(52.41,19.57) 52.43,19.57 53.09,18.91
  Bottom w0.127: v1(52.41,19.57) 53.64,18.34 56.21,18.34 57.38,17.17 58.78,17.17 59.89,16.05 61.67,16.05 66.29,11.43 83.19,11.43 85.73,8.89 105.16,8.89 111,14.73 111,26.16 112.65,27.81 112.65,29.72 113.03,30.1 113.03,37.21 115.19,39.37 117.48,39.37 J9.b9
/DBIO2: length 108.3
  Top w0.127: 48.98,18.91 50.13,20.06 53.22,20.06 v1(53.72,19.56) 53.74,19.54 U8.13
  Bottom w0.127: J9.c9 119.89,39.5 119.89,41.78 119.63,42.04 115.06,42.04 112.65,39.62 112.65,30.23 112.27,29.85 112.27,28.07 110.49,26.29 110.49,14.73 105.03,9.27 85.85,9.27 83.31,11.81 66.42,11.81 61.82,16.41 60.05,16.41 58.88,17.58 57.43,17.58 56.26,18.75 54.53,18.75 v1(53.72,19.56)
/DBIO3: length 98.3
  Top w0.127: 48.33,18.91 48.85,19.43 49.02,19.43 49.91,20.32 53.85,20.32 54.39,19.78 U8.14 54.39,17.31 v1(53.85,16.76)
  Bottom w0.127: J9.a8 115.19,35.56 114.17,34.54 114.17,29.72 113.79,29.34 113.79,27.43 112.14,25.78 112.14,14.48 105.41,7.75 85.34,7.75 82.8,10.29 65.28,10.29 61.6,13.97 60.45,13.97 58.37,16.05 56.85,16.05 56.64,16.26 55.25,16.26 54.74,16.76 v1(53.85,16.76)
/DBIO4: length 101.7
  Top w0.127: v1(54.99,15.75) 54.86,15.88 54.86,17.02 55.04,17.2 U8.15 55.04,19.89 54.23,20.7 49.91,20.7 49.69,20.48 49.4,20.48 48.26,19.33 48.1,19.33 47.68,18.91
  Bottom w0.127: v1(54.99,15.75) 56.64,15.75 56.77,15.62 58.29,15.62 60.33,13.59 61.47,13.59 65.15,9.91 82.68,9.91 85.22,7.37 105.54,7.37 112.52,14.35 112.52,25.65 114.17,27.31 114.17,29.21 114.55,29.59 114.55,33.66 115.19,34.29 117.48,34.29 J9.b8
/DBIO5: length 106.1
  Top w0.127: 47.03,18.91 47.2,19.08 47.25,19.08 47.29,19.11 47.29,19.17 47.45,19.33 47.65,19.33 49.15,20.83 49.66,20.83 49.91,21.08 54.74,21.08 55.69,20.13 U8.16 55.69,16.96 v1(55.63,16.89)
  Bottom w0.127: v1(55.63,16.89) 55.75,17.02 56.52,17.02 57.13,16.41 58.52,16.41 60.58,14.35 61.72,14.35 65.41,10.67 82.93,10.67 85.47,8.13 105.41,8.13 111.76,14.48 111.76,25.91 113.41,27.56 113.41,29.46 113.79,29.85 113.79,35.43 115.19,36.83 120.02,36.83 J9.c8
/DBIO6: length 101.9
  Top w0.127: U8.17 56.34,20.37 55.25,21.46 49.78,21.46 49.47,21.15 48.96,21.15 47.4,19.59 47.35,19.59 47.1,19.33 46.8,19.33 46.38,18.91 ; 56.39,18.36 v1(56.39,14.99)
  Bottom w0.127: 118.49,33.02 117.22,31.75 115.32,31.75 114.94,31.37 114.94,29.46 114.55,29.08 114.55,27.18 112.9,25.53 112.9,14.1 105.79,6.99 85.09,6.99 82.63,9.45 65.14,9.45 61.51,13.08 60.33,13.08 58.42,14.99 v1(56.39,14.99)
/DBIO7: length 107.3
  Top w0.127: 45.73,18.91 46.68,19.86 47.17,19.86 48.77,21.46 49.28,21.46 49.66,21.84 55.63,21.84 56.99,20.48 U8.18 56.99,15.14 57.28,14.86 v1(57.28,14.1)
  Bottom w0.127: v1(57.28,14.1) 57.28,12.45 60.63,9.09 82.47,9.09 84.96,6.6 105.92,6.6 113.28,13.97 113.28,25.4 114.94,27.05 114.94,28.96 115.19,29.21 117.09,29.21 117.48,29.59 117.48,31.24 117.98,31.75 120.02,31.75 J9.c7
/DBIO8: length 36.9
  Top w0.127: U5.11 15.75,33.66 9.78,39.62 9.78,41.45 9.45,41.78 7.62,41.78 7.11,41.28 7.11,39.75 6.73,39.37 4.7,39.37 J8.a9 ; U4.12 16.9,21.07 16.76,21.21 16.76,22.61 20.57,26.42 20.57,29.85 18.92,31.5 18.92,32.26 17.53,33.66
/DBIO9: length 30.6
  Top w0.127: U4.13 16.92,20.42 16.38,20.96 16.38,22.73 20.19,26.54 20.19,29.72 18.67,31.24 18.67,31.88 17.54,33.01 ; J8.b9 7.24,39.37 9.4,39.37 15.76,33.01 16.88,33.01
/DBIO10: length 28
  Top w0.127: 17.97,19.77 16.93,19.77 16,20.7 16,22.86 19.81,26.67 19.81,29.72 18.29,31.24 18.29,31.75 17.68,32.36 U5.13 15.78,32.36 10.03,38.1 J8.c9
/DBIO11: length 33.3
  Top w0.127: U4.15 16.95,19.12 15.62,20.45 15.62,22.99 19.43,26.8 19.43,29.59 18.03,30.99 18.03,31.24 17.57,31.71 U5.14 15.92,31.71 10.8,36.83 4.7,36.83 J8.a8
/DBIO12: length 29.4
  Top w0.127: U5.15 15.94,31.06 12.7,34.29 7.24,34.29 J8.b8 ; 17.97,18.47 16.84,18.47 15.24,20.07 15.24,23.11 19.05,26.92 19.05,29.39 17.38,31.06
/DBIO13: length 27
  Top w0.127: U5.16 15.57,30.41 12.45,33.53 v1(10.8,33.53) ; 17.47,30.41 18.8,29.08 18.8,27.18 14.86,23.24 14.86,19.81 16.85,17.82 U4.17
  Bottom w0.127: v1(10.8,33.53) 8.76,35.56
/DBIO14: length 29.6
  Top w0.127: U4.18 16.87,17.17 14.48,19.56 14.48,23.37 18.42,27.31 18.42,28.96 17.62,29.76 U5.17 13.17,29.76 11.18,31.75 7.24,31.75 J8.b7
/DBIO15: length 26.7
  Top w0.127: v1(10.8,30.61) 11.3,30.61 12.81,29.11 U5.18 ; U4.19 16.88,16.52 14.1,19.3 14.1,23.5 18.06,27.46 18.06,28.42 17.38,29.11
  Bottom w0.127: v1(10.8,30.61) 8.51,32.89
A0: length 56.1
  Top w0.127: v1(21.26,44.42) 19.81,42.96 ; v1(38.73,15.11) 38.76,15.14 U3.5 40.74,15.14 42.29,13.59 43.18,13.59 43.43,13.84 U6.2
  In1.Cu w0.127: v1(38.73,15.11) 38.27,14.64 38.27,12.84 37.72,12.3 32.49,12.3 31.74,11.54 29.81,11.54 23.15,18.21 23.15,37.18 21.26,39.06 v1(21.26,44.42)
A1: length 45.5
  Top w0.127: U1.39 43.82,47.79 v1(43.82,47.37) ; U6.3 42.06,13.19 40.91,14.34 U3.4 37.61,14.34 v1(37.59,14.35)
  In1.Cu w0.127: v1(37.59,14.35) 37.59,15.73 39.96,18.1 39.96,36.14 39.78,36.33 39.78,38.65 41.87,40.75 41.87,47.26 42.36,47.75 43.43,47.75 v1(43.82,47.37)
A2: length 43.4
  Top w0.127: 44.06,48.76 v1(42.55,47.24) ; v1(38.73,13.46) 38.81,13.54 U3.3 40.82,13.54 41.82,12.54 U6.4
  In1.Cu w0.127: v1(42.55,47.24) 42.55,37.85 40.7,36 40.7,15.43 v1(38.73,13.46)
A3: length 46.5
  Top w0.127: v1(37.59,12.83) 37.68,12.74 U3.2 40.86,12.74 41.71,11.89 U6.5 ; 43.65,49.11 42.42,47.88 41.91,47.88 v1(41.27,47.24)
  In1.Cu w0.127: v1(41.27,47.24) 40.35,46.32 40.35,41.47 37.07,38.18 37.07,13.35 v1(37.59,12.83)
A4: length 1.5
  Top w0.127: v1(42.29,48.51) 43.24,49.46 U1.42
A5: length 60.2
  Top w0.127: U3.1 v1(38.73,11.94) 38.61,12.07 36.96,12.07 36.83,11.94 36.83,10.92 37.85,9.91 39.12,9.91 39.75,10.54 40.89,10.54 42.15,9.29 U6.9 ; v1(35.18,44.96) 39.37,49.15 42.35,49.15 42.9,49.7
  Bottom w0.127: v1(38.73,11.94) 38.48,12.19 36.32,12.19 34.54,13.97 34.54,33.02 32.77,34.8 32.77,38.99 34.8,41.02 34.8,44.58 v1(35.18,44.96)
A6: length 62.5
  Top w0.127: 42.34,49.85 42.02,49.53 38.61,49.53 v1(35.31,46.23) ; U6.8 42.26,9.94 v1(41.78,10.41) ; U3.44 29.84,11.94 v1(29.97,12.07)
  Bottom w0.127: 32.13,11.81 32.13,13.08 32.89,13.84 32.89,15.49 34.16,16.76 34.16,32.77 32.39,34.54 32.39,39.12 34.42,41.15 34.42,45.09 35.31,45.97 v1(35.31,46.23) ; 32.13,11.81 30.23,11.81 v1(29.97,12.07) ; 32.13,11.81 34.04,11.81 35.81,10.03 41.4,10.03 v1(41.78,10.41)
A7: length 63.3
  Top w0.127: v1(38.86,10.67) 39.12,10.92 40.77,10.92 40.89,11.05 42.67,11.05 43.14,10.59 U6.7 ; v1(33.02,12.83) v1(30.99,12.83) 30.9,12.74 U3.43 ; 42.31,50.53 41.7,49.91 38.1,49.91 35.69,47.5 v1(34.92,47.5)
  Bottom w0.127: v1(33.02,12.83) 33.53,12.83 35.81,10.54 38.73,10.54 v1(38.86,10.67) ; v1(34.92,47.5) 34.67,47.24 34.67,46.1 34.04,45.47 34.04,41.28 32,39.24 32,34.42 33.78,32.64 33.78,16.89 32,15.11 32,13.84 v1(30.99,12.83)
